# KiCad board KLST_CATERPILLAR.kicad_pcb
date: 2023-10-05
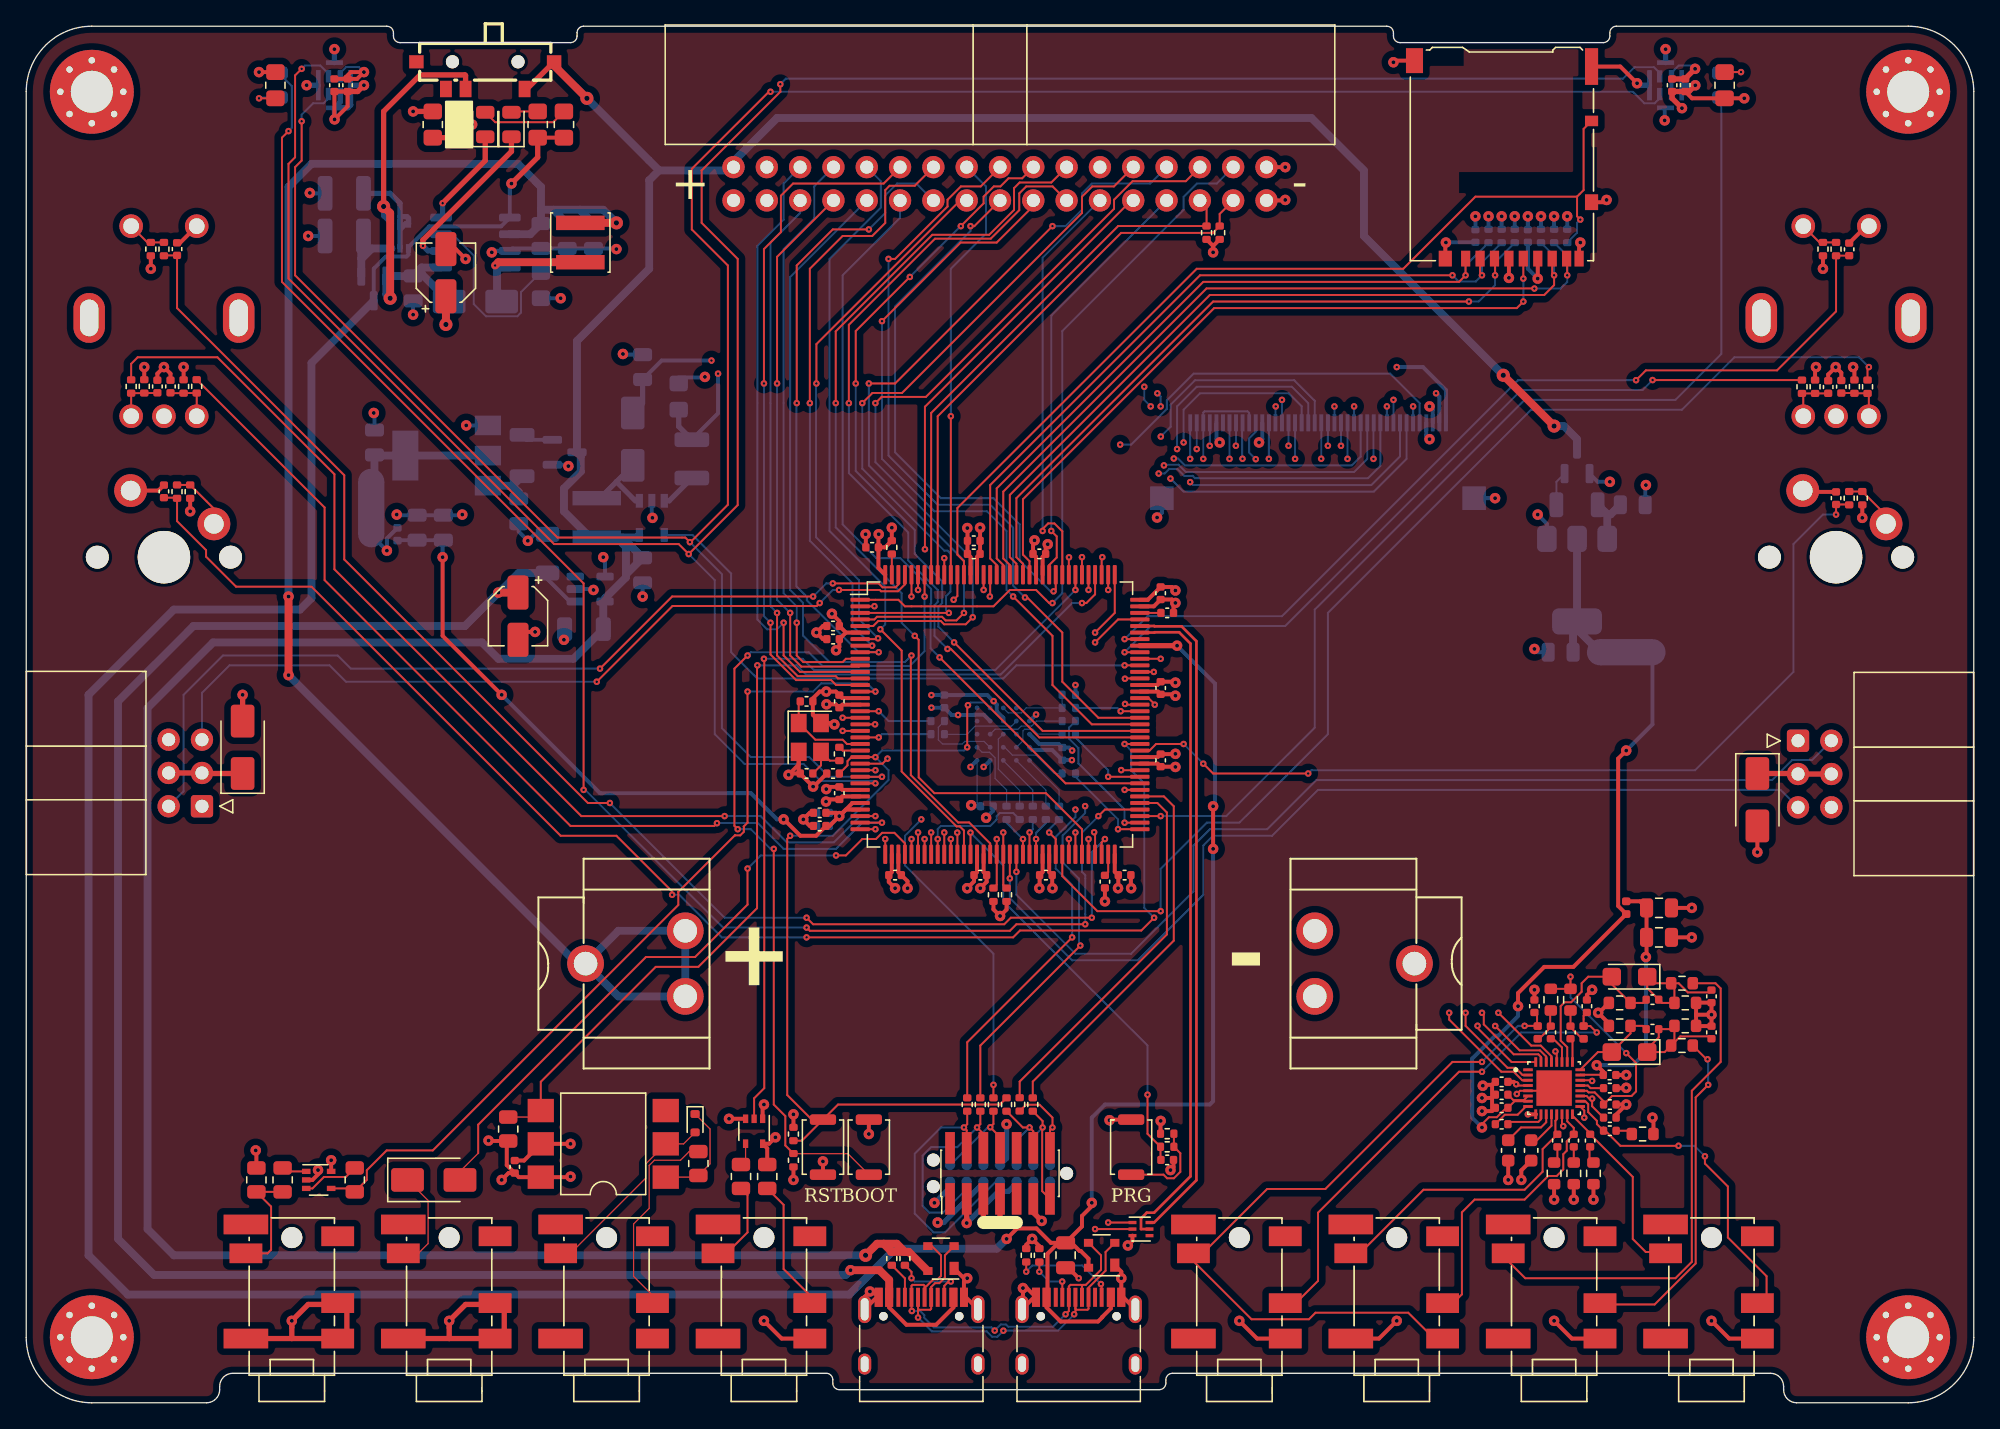
[diagram p0: board, top side]
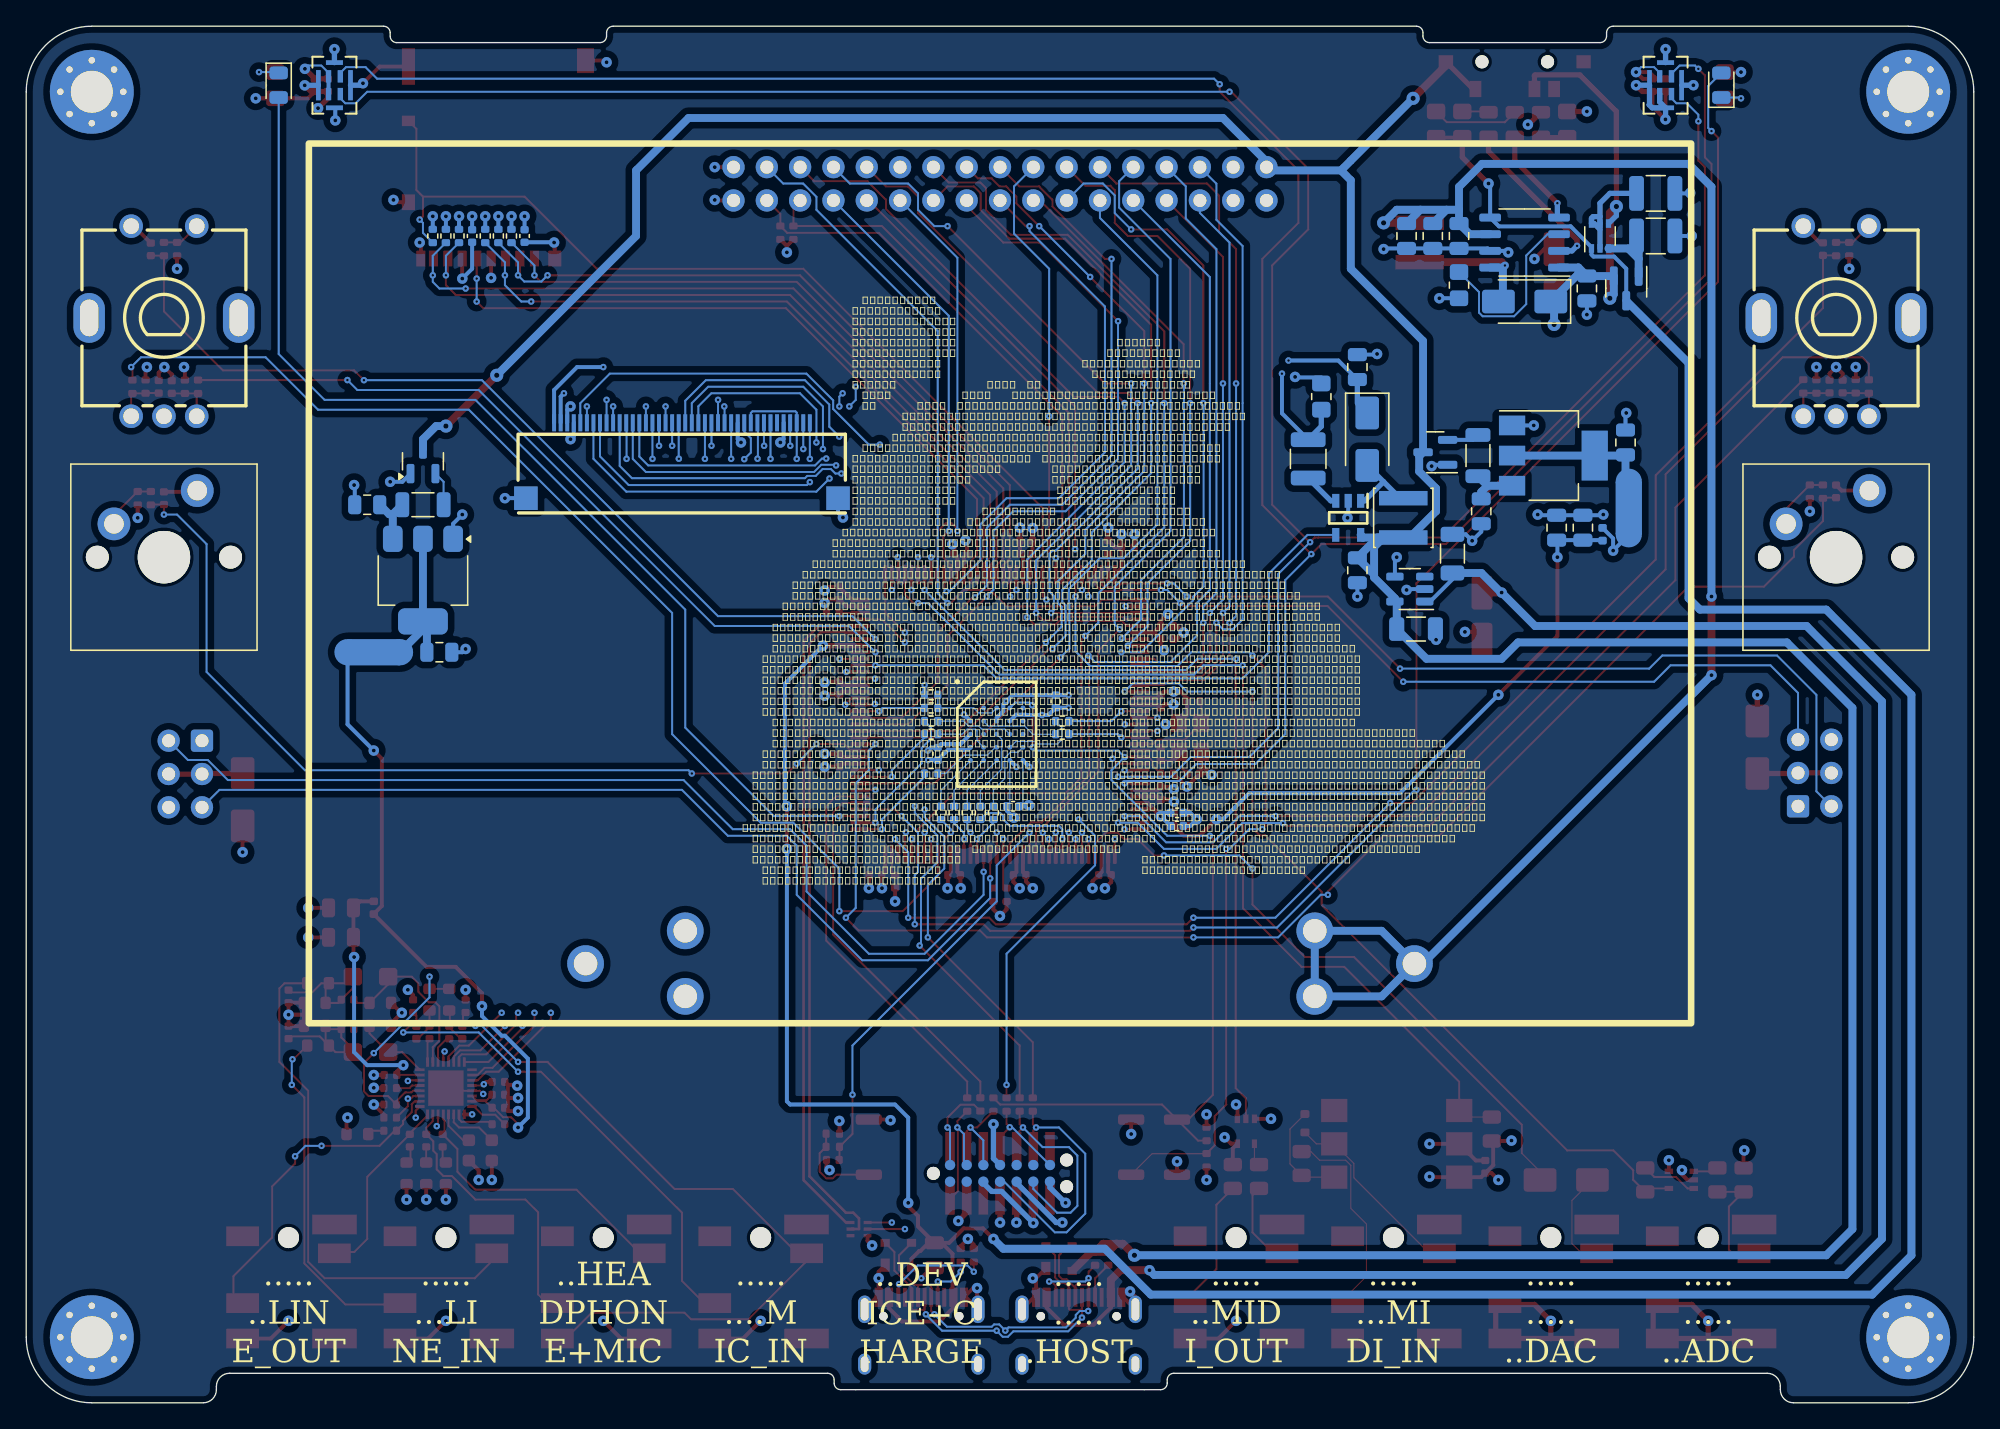
[diagram p1: board, bottom side, seen from below]

Outline 148.5 x 105 mm; copper layers: Top, In1.Cu (plane), In2.Cu, In3.Cu (plane), In4.Cu (plane), Bottom. Coordinates in mm from the lower left corner of the outline.
Outline path: 0,100 arc(1.46,103.54) 5,105 27.5,105 arc(27.85,104.85) 28,104.5 28,104.25 arc(28.15,103.9) 28.5,103.75 41.5,103.75 arc(41.85,103.9) 42,104.25 42,104.5 arc(42.15,104.85) 42.5,105 103.75,105 arc(104.1,104.85) 104.25,104.5 104.25,104.25 arc(104.4,103.9) 104.75,103.75 120.25,103.75 arc(120.6,103.9) 120.75,104.25 120.75,104.5 arc(120.9,104.85) 121.25,105 143.5,105 arc(147.04,103.54) 148.5,100 148.5,5 arc(147.04,1.46) 143.5,0 135,0 arc(134.29,0.29) 134,1 134,1.25 arc(133.71,1.96) 133,2.25 87.4,2.25 arc(87.04,2.1) 86.9,1.75 86.9,1.5 arc(86.75,1.15) 86.4,1 62,1 arc(61.65,1.15) 61.5,1.5 61.5,1.75 arc(61.35,2.1) 61,2.25 15.75,2.25 arc(15.04,1.96) 14.75,1.25 14.75,1 arc(14.46,0.29) 13.75,0 5,0 arc(1.46,1.46) 0,5 0,100
Stack: Top 0.035mm / dielectric 0.0994mm 3313 er 4.1 / In1.Cu 0.0152mm / dielectric 0.55mm FR4 er 4.6 / In2.Cu 0.0152mm / dielectric 0.1088mm 2116 er 4.16 / In3.Cu 0.0152mm / dielectric 0.55mm FR4 er 4.6 / In4.Cu 0.0152mm / dielectric 0.0994mm 3313 er 4.1 / Bottom 0.035mm

## Placement (name value [footprint] x y rotation side)
C1  10uF  [C_0805_2012Metric]  37.56 68 270 bottom
C2  10uF  [C_0805_2012Metric]  26.56 73.25 90 bottom
C3  1uF  [C_0805_2012Metric]  29.81 66.75 90 bottom
C4  10nF  [C_0805_2012Metric]  31.81 66.75 90 bottom
C5  1uF  [C_0402_1005Metric]  60.75 44 180 bottom
C6  100nF  [C_0402_1005Metric]  62 53.5 90 top
C7  100nF  [C_0402_1005Metric]  60.75 45 180 bottom
C8  100nF  [C_0402_1005Metric]  62 46.5 270 top
C9  12pF  [C_0402_1005Metric]  59.5 53.5 180 top
C10  1uF  [C_0402_1005Metric]  60.5 45 180 top
C11  100nF  [C_0402_1005Metric]  66.25 40.25 180 top
C12  100nF  [C_0402_1005Metric]  60.5 44 180 top
C13  12pF  [C_0402_1005Metric]  59.5 48 180 top
C14  100nF  [C_0402_1005Metric]  72.75 40.25 180 top
C15  100nF  [C_0402_1005Metric]  77.75 40.25 180 top
C16  1uF  [C_0402_1005Metric]  61.52 58.25 180 top
C17  100nF  [C_0402_1005Metric]  61.52 59.25 180 top
C18  100nF  [C_0402_1005Metric]  83.75 40.25 0 top
C19  100nF  [C_0402_1005Metric]  86.5 49 270 top
C20  100nF  [C_0402_1005Metric]  86.5 61.75 270 top
C21  100nF  [C_0402_1005Metric]  77.25 64.75 0 top
C22  100nF  [C_0402_1005Metric]  72.25 64.75 0 top
C23  100nF  [C_0402_1005Metric]  64.5 65.25 180 top
C24  2.2uF  [C_0402_1005Metric]  82.25 39.75 270 top
C25  100nF  [C_0402_1005Metric]  61.52 48 180 top
C26  4.7uF  [C_0402_1005Metric]  72.25 65.75 0 top
C27  2.2uF  [C_0402_1005Metric]  87 60.25 0 top
C28  1uF  [C_0402_1005Metric]  86.5 54.52 270 top
C29  4.7uF  [C_0402_1005Metric]  114.5 89 90 bottom
C30  100nF  [C_0402_1005Metric]  110.5 89 270 bottom
C31  1uF  [C_0805_2012Metric]  47 79 90 bottom
C32  4.7uF  [C_0805_2012Metric]  47 63.5 270 bottom
C33  100nF  [C_0805_2012Metric]  39.25 89 270 bottom
C34  22uF  [C_0805_2012Metric]  41.25 89 270 bottom
C35  100nF  [C_0805_2012Metric]  29.5 85 270 bottom
C36  22uF  [C_0805_2012Metric]  43.25 89 270 bottom
C37  47uF  [CP_Elec_4x5.4]  32 86.2 90 top
C38  100nF  [C_0402_1005Metric]  137.4 77.48 90 top
C39  100nF  [C_0402_1005Metric]  139 87.98 90 top
C40  100nF  [C_0402_1005Metric]  138.4 77.5 90 top
C41  100nF  [C_0402_1005Metric]  10 77.52 90 top
C42  100nF  [C_0402_1005Metric]  11.5 88 90 top
C43  100nF  [C_0402_1005Metric]  11 77.52 90 top
C44  100nF  [C_0402_1005Metric]  87 18.53 0 top
C45  100nF  [C_0402_1005Metric]  37.25 18 90 top
C46  1uF  [C_0805_2012Metric]  79.25 11.25 270 top
C47  100nF  [C_1206_3216Metric]  42.53 59.02 180 bottom
C48  100nF  [C_1206_3216Metric]  39.75 64.77 90 bottom
C49  47uF  [CP_Elec_4x5.4]  37.5 60 270 top
C50  100nF  [C_0402_1005Metric]  125.5 100.5 270 top
C51  1uF  [C_0402_1005Metric]  126.5 100.5 270 top
C52  100nF  [C_0402_1005Metric]  138 69 90 top
C53  100nF  [C_0402_1005Metric]  10.5 69.52 90 top
C54  100nF  [C_0402_1005Metric]  73.25 45.5 180 bottom
C55  100nF  [C_0402_1005Metric]  70 53.5 90 bottom
C56  100nF  [C_0402_1005Metric]  79 49.5 90 bottom
C57  220pF  [C_0402_1005Metric]  128.5 31 90 top
C58  470pF  [C_0402_1005Metric]  115 30.25 270 top
C59  470pF  [C_0402_1005Metric]  119 30.25 90 top
C60  220pF  [C_0402_1005Metric]  128.5 28.25 270 top
C61  1uF  [C_0402_1005Metric]  116.25 28.25 270 top
C62  1uF  [C_0402_1005Metric]  117.75 28.25 270 top
C63  10uF  [CP_EIA-3216-18_Kemet-A]  122.25 32.5 180 top
C64  1uF  [C_0402_1005Metric]  124 30.75 180 top
C65  1uF  [C_0402_1005Metric]  124 28.5 180 top
C66  10uF  [CP_EIA-3216-18_Kemet-A]  122.25 26.75 180 top
C67  2.2uF  [C_0603_1608Metric]  114.75 19.25 270 top
C68  2.2uF  [C_0603_1608Metric]  113 19.25 270 top
C69  1uF  [C_0805_2012Metric]  124.5 35.5 0 top
C70  2.2uF  [C_0402_1005Metric]  112.5 21.25 0 top
C71  10nF  [C_0805_2012Metric]  124.5 37.75 0 top
C72  4.7uF  [C_0402_1005Metric]  120.75 24 0 top
C74  4.7uF  [C_0402_1005Metric]  120.75 22.75 0 top
C77  100nF  [C_0402_1005Metric]  120.75 20.75 0 top
C78  100nF  [C_0402_1005Metric]  119.25 20 270 top
C79  100nF  [C_0402_1005Metric]  118 20 270 top
C80  100nF  [C_0402_1005Metric]  116.75 20 270 top
C81  100nF  [C_0402_1005Metric]  24.5 100.5 270 top
C82  1uF  [C_0402_1005Metric]  23.5 100.5 270 top
C83  100nF  [C_0402_1005Metric]  112.5 24.48 180 top
C84  100nF  [C_0402_1005Metric]  112.5 23.5 180 top
C85  4.7uF  [C_0402_1005Metric]  120.73 25 0 top
C86  4.7uF  [C_0402_1005Metric]  112.5 22.5 180 top
C87  100nF  [C_0402_1005Metric]  120.75 21.75 0 top
C88  10uF  [C_0805_2012Metric]  122.5 68.5 0 bottom
C89  10uF  [C_0805_2012Metric]  117 57.25 180 bottom
D1  LED  [LED_0805_2012Metric]  129.25 100.5 270 bottom
D2  LED  [LED_0805_2012Metric]  19.25 100.5 90 bottom
D3  PWR_LED  [LED_0805_2012Metric]  33 97.5 90 top
D4  SS14  [D_SMA]  46.25 73.5 270 bottom
D5  LED_STDBY  [LED_0805_2012Metric]  35 97.5 90 top
D6  LED_CHRG  [LED_0805_2012Metric]  37 97.5 90 top
D7  SS32  [D_SMA]  34.25 84 0 bottom
D9  SS14  [D_SMA]  132 46 270 top
D10  SS14  [D_SMA]  16.5 50 90 top
D11  1N914WT  [D_SOD-523]  51 21.32 270 top
D12  SP0503BAHT  [SOT-143]  82 11.25 180 top
D13  SP0503BAHT  [SOT-143]  69.75 11 180 top
D14  SS14  [D_SMA]  31.07 17 0 top
FB1  600Ω@100MHz  [L_1206_3216Metric]  37.81 72.25 90 bottom
FB2  5Ω@100MHz  [L_0402_1005Metric]  115.25 28.25 270 top
FB3  5Ω@100MHz  [L_0402_1005Metric]  118.75 28.25 270 top
FB4  600Ω@100MHz  [L_1206_3216Metric]  118.25 68.5 180 bottom
H1  M3 Mounting Hole  [MountingHole_3.2mm_M3_Pad_Via]  5 100 0 top
H2  M3 Mounting Hole  [MountingHole_3.2mm_M3_Pad_Via]  143.5 100 0 top
H3  M3 Mounting Hole  [MountingHole_3.2mm_M3_Pad_Via]  5 5 0 top
H4  M3 Mounting Hole  [MountingHole_3.2mm_M3_Pad_Via]  143.5 5 0 top
J1  Micro_SD_Card_Det_Hirose_DM3AT  [microSD_HC_Hirose_DM3AT-SF-PEJM5]  112.53 95 180 top
J2  FPC-40  [CONN-SMD_40P-P0.50-H_THD0525-40CL-GF]  98.5 71.88 180 bottom
J3  Battery_18650_Plus  [MY-18650-01]  46.45 33.5 0 top
J4  Battery_18650_Minus  [MY-18650-01]  102.05 33.5 180 top
J5  UART  [IDC-Header_2x03_P2.54mm_Horizontal]  135.1 50.5 0 top
J6  UART  [IDC-Header_2x03_P2.54mm_Horizontal]  13.4 45.5 180 top
J7  MIDI_IN  [PJ-316A-6A]  44.25 9.25 180 top
J8  MIDI_OUT  [PJ-316A-6A]  56.25 9.25 180 top
J9  DEVICE+CHARGE(UFP)  [USB_C_Receptacle_HRO_TYPE-C-31-M-12]  80.25 4 0 top
J10  HOST(DFP)  [USB_C_Receptacle_HRO_TYPE-C-31-M-12]  68.25 4 0 top
J11  DAC  [PJ-316A-6A]  32.25 9.25 180 top
J12  ADC  [PJ-316A-6A]  20.25 9.25 180 top
J13  GPIO  [IDC-Header_2x17_P2.54mm_Horizontal]  53.93 91.71 90 top
J14  ARM_JTAG_SWD(STDC14)  [PinHeader_2x07_P1.27mm_Vertical_SMD]  74.25 17.5 90 top
J15  -  [TC2070-IDC-NL]  74.25 17.5 180 bottom
J16  MIC_IN  [PJ-316A-6A]  92.5 9.25 180 top
J17  LINE_IN  [PJ-316A-6A]  116.5 9.25 180 top
J18  HEADPHONE_OUT+MIC  [PJ-316A-6A]  104.5 9.25 180 top
J19  LINE_OUT  [PJ-316A-6A]  128.5 9.25 180 top
L1  39nH  [L_0402_1005Metric]  28.31 66.25 270 bottom
L2  22uH  [L_Changjiang_FNR4030S]  43.5 67.5 270 bottom
L3  10uH  [L_Changjiang_FNR4030S]  42.25 88.5 270 top
L4  39nH  [L_0402_1005Metric]  122 37.77 90 top
NT1  NetTie_2  [NetTie-2_SMD_Pad2.0mm]  26.31 68.25 90 bottom
NT2  NetTie_2  [NetTie-2_SMD_Pad2.0mm]  122 57.25 180 bottom
Q1  AO3401A  [SOT-23]  41.06 72.5 0 bottom
Q2  BCM857BS  [SOT-363_SC-70-6]  28.5 89 90 bottom
Q3  AO3401A  [SOT-23]  26.5 85 270 bottom
Q4  AO3401A  [SOT-23]  118.25 71.81 90 bottom
R1  1K  [R_0805_2012Metric_Pad1.20x1.40mm_HandSolder]  129.5 100.5 90 top
R2  1K  [R_0805_2012Metric_Pad1.20x1.40mm_HandSolder]  19 100.5 270 top
R3  2.2K  [R_0402_1005Metric]  73.75 38.75 90 top
R4  2.2K  [R_0402_1005Metric]  74.75 38.75 90 top
R5  2.2K  [R_0402_1005Metric]  91 89.25 90 top
R6  2.2K  [R_0402_1005Metric]  90 89.25 90 top
R7  10R  [R_0402_1005Metric]  62 49.49 270 top
R8  1K  [R_0805_2012Metric_Pad1.20x1.40mm_HandSolder]  31 97.5 270 top
R9  10K  [R_0402_1005Metric]  58.5 20.5 90 top
R10  10K  [R_0402_1005Metric]  66 65.25 270 top
R11  10K  [R_0402_1005Metric]  58.5 18.5 90 top
R12  10K  [R_0402_1005Metric]  117.5 89 90 bottom
R13  10K  [R_0402_1005Metric]  116.5 89 270 bottom
R14  10K  [R_0402_1005Metric]  115.5 89 270 bottom
R15  10K  [R_0402_1005Metric]  113.5 89 270 bottom
R16  10K  [R_0402_1005Metric]  112.5 89 270 bottom
R17  10K  [R_0402_1005Metric]  111.5 89 270 bottom
R18  20R  [R_0805_2012Metric_Pad1.20x1.40mm_HandSolder]  49.75 76.75 90 bottom
R19  1K  [R_1210_3225Metric]  50.75 72 270 bottom
R20  2K  [R_0805_2012Metric_Pad1.20x1.40mm_HandSolder]  41 97.5 270 top
R21  2K  [R_0805_2012Metric_Pad1.20x1.40mm_HandSolder]  39 97.5 270 top
R22  1.2K  [R_0805_2012Metric_Pad1.20x1.40mm_HandSolder]  39.25 85.25 90 bottom
R23  10K  [R_1210_3225Metric]  24.25 92.25 0 bottom
R24  47K  [R_1210_3225Metric]  24.25 89 0 bottom
R25  10K  [R_0402_1005Metric]  135.4 77.5 90 top
R26  10K  [R_0402_1005Metric]  136.4 77.5 270 top
R27  10K  [R_0402_1005Metric]  137 88 270 top
R28  1K  [R_0402_1005Metric]  138 88 90 top
R29  10K  [R_0402_1005Metric]  139.4 77.51 270 top
R30  10K  [R_0402_1005Metric]  140.4 77.5 270 top
R31  10K  [R_0402_1005Metric]  8 77.52 90 top
R32  10K  [R_0402_1005Metric]  9 77.53 270 top
R33  10K  [R_0402_1005Metric]  9.5 88 270 top
R34  1K  [R_0402_1005Metric]  10.5 88 90 top
R35  10K  [R_0402_1005Metric]  12 77.52 270 top
R36  10K  [R_0402_1005Metric]  13 77.53 270 top
R37  10K  [R_0402_1005Metric]  87 20.53 180 top
R38  1K  [R_0402_1005Metric]  87 19.53 0 top
R39  220R  [R_0805_2012Metric]  51.25 18.25 270 top
R40  47R  [R_0805_2012Metric]  56.5 17.26 270 top
R41  47R  [R_0805_2012Metric]  54.5 17.26 90 top
R42  470R  [R_0805_2012Metric]  36.75 20.88 90 top
R43  5.1K  [R_0402_1005Metric]  77.25 11.25 270 top
R44  5.1K  [R_0402_1005Metric]  76.25 11.25 270 top
R45  56K  [R_0402_1005Metric]  66 11 90 top
R46  56K  [R_0402_1005Metric]  67 11 90 top
R47  100K  [R_0805_2012Metric]  17.55 17 90 top
R48  20K  [R_0805_2012Metric]  19.55 17 90 top
R49  20K  [R_0805_2012Metric]  25.05 17 270 top
R50  10K  [R_0402_1005Metric]  140 69 270 top
R51  1K  [R_0402_1005Metric]  139 69 90 top
R52  10K  [R_0402_1005Metric]  12.5 69.5 270 top
R53  1K  [R_0402_1005Metric]  11.5 69.5 90 top
R54  22R  [R_0402_1005Metric]  74.75 22.75 90 top
R55  22R  [R_0402_1005Metric]  72.75 22.75 90 top
R56  22R  [R_0402_1005Metric]  71.75 22.75 90 top
R57  22R  [R_0402_1005Metric]  73.75 22.75 90 top
R58  22R  [R_0402_1005Metric]  76.75 22.75 90 top
R59  22R  [R_0402_1005Metric]  75.75 22.76 90 top
R60  33R  [R_0402_1005Metric]  79.5 53 180 bottom
R61  33R  [R_0402_1005Metric]  69.5 51 0 bottom
R62  33R  [R_0402_1005Metric]  75.75 45 90 bottom
R63  10K  [R_0402_1005Metric]  79.5 54 0 bottom
R64  33R  [R_0402_1005Metric]  79.5 52 0 bottom
R65  33R  [R_0402_1005Metric]  79.5 51 0 bottom
R66  33R  [R_0402_1005Metric]  79.5 48 0 bottom
R67  33R  [R_0402_1005Metric]  69.5 52 180 bottom
R68  33R  [R_0402_1005Metric]  74.75 45 270 bottom
R69  33R  [R_0402_1005Metric]  78.75 45 270 bottom
R70  33R  [R_0402_1005Metric]  77.75 45 270 bottom
R71  33R  [R_0402_1005Metric]  76.75 45 270 bottom
R72  5.6K  [R_0603_1608Metric]  126.25 32 180 top
R73  5.6K  [R_0603_1608Metric]  126.25 27.25 180 top
R74  5.6K  [R_0603_1608Metric]  126.5 30.5 0 top
R75  2.2K  [R_0603_1608Metric]  116.25 30.75 270 top
R76  2.2K  [R_0603_1608Metric]  117.75 30.75 270 top
R77  5.6K  [R_0603_1608Metric]  126.5 28.75 0 top
R78  10K  [R_0603_1608Metric]  121.5 30.5 180 top
R79  10K  [R_0603_1608Metric]  121.5 28.75 180 top
R80  20R  [R_0603_1608Metric]  123.25 20.5 0 top
R81  20R  [R_0603_1608Metric]  119.5 17.5 270 top
R82  20R  [R_0603_1608Metric]  118 17.5 270 top
R83  20R  [R_0603_1608Metric]  116.5 17.5 270 top
SW1  BUTTON_RESET  [SW_Push_SPST_NO_Alps_SKRK]  60.75 19.5 90 top
SW2  BUTTON_BOOT_FLASH  [SW_Push_SPST_NO_Alps_SKRK]  64.25 19.5 90 top
SW3  SW_SPDT  [MK-12F03-G015]  35 101.25 180 top
SW4  ENCODER  [PEC11R-4015F-S0024]  138 82.5 180 bottom
SW5  ENCODER  [PEC11R-4015F-S0024]  10.5 82.5 180 bottom
SW6  BUTTON  [SW_Push_SPST_NO_Alps_SKRK]  84.25 19.5 90 top
SW7  BUTTON  [SW_Cherry_MX_PCB]  138 64.5 180 bottom
SW8  BUTTON  [SW_Cherry_MX_PCB]  10.5 64.5 180 bottom
U1  AMS1117-3.3  [SOT-223-3_TabPin2]  32.06 72.25 180 bottom
U2  STM32H723ZGTx  [LQFP-144_20x20mm_P0.5mm]  74.25 52.5 0 top
U3  CAT4139TD-GT3  [SOT95P280X100-5N]  47.7 67.5 270 bottom
U4  TP5400  [SOP-8_3.9x4.9mm_P1.27mm]  34.25 88.5 0 bottom
U5  H11L1SR2M  [SMDIP-6_W9.53mm]  44 19.75 180 top
U6  74AHC1G125  [SOT-353_SC-70-5]  55.5 20.71 270 top
U7  ECMF02-2AMX6  [ST_UQFN-6L_1.5x1.7mm_P0.5mm]  85 13.25 0 top
U8  TPS2041B  [SOT-23-5]  43 62.07 0 bottom
U9  TLV9001IDCK  [SOT-353_SC-70-5]  22.3 17 0 top
U10  MP34DT05TR-A  [MP34DT05TR-A_STM]  125 100.5 180 bottom
U11  MP34DT05TR-A  [MP34DT05TR-A_STM]  23.5 100.5 180 bottom
U12  S70KL1282  [BGA24C100P5X5_600X800X100]  74.5 51 180 bottom
U13  WM8904CGEFL/V  [QFN40P400X400X80-33N]  116.5 24 0 top
U14  AMS1117-1.8  [SOT-223-3_TabPin2#2]  118.25 62.75 270 bottom
Y1  16MHz  [Crystal_SMD_3225-4Pin_3.2x2.5mm]  59.75 50.75 270 top

## Library data of the parts
C1 C2 C88 C89 = -: Description: 25V; JLCPCB: C15850; ki_fp_filters: C_*
C3 C69 = -: Description: 50V; JLCPCB: C28323; ki_fp_filters: C_*
C4 C71 = -: Description: 50V; JLCPCB: C1710; ki_fp_filters: C_*
C5 C10 C16 C28 C61 C62 C64 C65 = -: Description: 25V; JLCPCB: C52923; ki_fp_filters: C_*
C6-C8 C11 C12 C14 C15 C17-C23 C25 C30 C38-C45 C50 C52-C56 C77-C81 C83 C84 C87 = -: Description: 16V; JLCPCB: C1525; ki_fp_filters: C_*
C9 C13 = -: Description: 50V; JLCPCB: C1547; ki_fp_filters: C_*
C24 C27 = -: Description: 10V; JLCPCB: C107370; ki_fp_filters: C_*
C26 C29 C72 C74 C85 C86 = -: Description: 10V; JLCPCB: C23733; ki_fp_filters: C_*
C31 = -: Description: 50V; JLCPCB: C386107; ki_fp_filters: C_*
C32 = -: Description: 16V; JLCPCB: C90791; ki_fp_filters: C_*
C33 C35 = -: Description: 16V; JLCPCB: C28233; ki_fp_filters: C_*
C34 C36 = -: Description: 25V; JLCPCB: C45783; ki_fp_filters: C_*
C37 C49 = -: Description: 10V; JLCPCB: C114447; ki_fp_filters: CP_*
C46 = -: Description: 50V; JLCPCB: C307362; ki_fp_filters: C_*
C47 C48 = -: Description: 50V; JLCPCB: C3015151; ki_fp_filters: C_*
C51 C82 = -: Description: 25V; JLCPCB: C52923; ki_fp_filters: CP_*
C57 C60 = -: Description: 50V; JLCPCB: C1530; ki_fp_filters: C_*
C58 C59 = -: Description: 50V; JLCPCB: C1537; ki_fp_filters: C_*
C63 C66 = -: Description: 16V; JLCPCB: C7171; ki_fp_filters: CP_*
C67 C68 = -: Description: 10V; JLCPCB: C86013; ki_fp_filters: C_*
C70 = -: Description: 6.3V; JLCPCB: C452745; ki_fp_filters: C_*
D1-D3 D5 = -: Description: WHITE; JLCPCB: C34499; ki_fp_filters: LED* LED_SMD:* LED_THT:*
D4 = -: JLCPCB: C2480; ki_fp_filters: TO-???* *_Diode_* *SingleDiode* D_*
D6 = -: Description: YELLOW; JLCPCB: C2296; ki_fp_filters: LED* LED_SMD:* LED_THT:*
D7 = -: JLCPCB: C34897; ki_fp_filters: TO-???* *_Diode_* *SingleDiode* D_*
D9 D10 D14 = -: Datasheet: https://datasheet.lcsc.com/szlcsc/Changjiang-Electronics-Tech-CJ-B5819W_C8598.pdf; JLCPCB: C2480; ki_fp_filters: TO-???* *_Diode_* *SingleDiode* D_*
D11 = -: JLCPCB: C896167; ki_fp_filters: TO-???* *_Diode_* *SingleDiode* D_*
D12 D13 = -: Datasheet: http://www.littelfuse.com/~/media/files/littelfuse/technical%20resources/documents/data%20sheets/sp05xxba.pdf; JLCPCB: C3040626; ki_fp_filters: SOT?143*
FB1 FB4 = -: JLCPCB: C73732; ki_fp_filters: Inductor_* L_* *Ferrite*
FB2 FB3 = -: JLCPCB: C160969; ki_fp_filters: Inductor_* L_* *Ferrite*
H1-H4 = -: ki_fp_filters: MountingHole*Pad*
J1 = -: Datasheet: https://www.hirose.com/product/en/download_file/key_name/DM3/category/Catalog/doc_file_id/49662/?file_category_id=4&item_id=195&is_series=1; JLCPCB: C114218; ki_fp_filters: microSD*
J2 = -: JLCPCB: C283185; ki_fp_filters: Connector*:*_1x??-1SH*
J3 J4 = -: JLCPCB: C2979183; ki_fp_filters: Connector*:*_1x??_*
J5 J6 = -: JLCPCB: C146629; ki_fp_filters: Connector*:*_2x??_*
J7 J8 J11 J12 J16-J19 = -: Datasheet: https://datasheet.lcsc.com/szlcsc/1810121710_Korean-Hroparts-Elec-PJ-316A-6A_C128987.pdf; JLCPCB: C128987; ki_fp_filters: Jack*
J9 J10 = -: Datasheet: https://www.usb.org/sites/default/files/documents/usb_type-c.zip; JLCPCB: C165948; ki_fp_filters: USB*C*Receptacle*
J13 = -: JLCPCB: C79866; ki_fp_filters: Connector*:*_2x??_*
J14 = -: Datasheet: https://www.st.com/content/ccc/resource/technical/document/user_manual/group1/99/49/91/b6/b2/3a/46/e5/DM00526767/files/DM00526767.pdf/jcr:content/translations/en.DM00526767.pdf; JLCPCB: C2881912; ki_fp_filters: PinHeader?2x07?P1.27mm*
J15 = -: Datasheet: https://www.st.com/content/ccc/resource/technical/document/user_manual/group1/99/49/91/b6/b2/3a/46/e5/DM00526767/files/DM00526767.pdf/jcr:content/translations/en.DM00526767.pdf; JLCPCB: DNF; ki_fp_filters: PinHeader?2x07?P1.27mm*
L1 L4 = -: Description: 200mA; JLCPCB: C26443; ki_fp_filters: Choke_* *Coil* Inductor_* L_*
L2 = -: Description: 1A; JLCPCB: C167883; ki_fp_filters: Choke_* *Coil* Inductor_* L_*
L3 = -: Description: 1.5A; JLCPCB: C167879; ki_fp_filters: Choke_* *Coil* Inductor_* L_*
NT1 NT2 = -: JLCPCB: DNF; ki_fp_filters: Net*Tie*
Q1 Q3 Q4 = -: Datasheet: http://www.aosmd.com/pdfs/datasheet/AO3401A.pdf; JLCPCB: C15127; ki_fp_filters: SOT?23*
Q2 = -: Description: PNP; JLCPCB: C105896; ki_fp_filters: SC?70* SC?88* SOT?363*
R1 R2 R8 = -: Description: 125mW; JLCPCB: C17513; ki_fp_filters: R_*
R3-R6 = -: Description: 62.5mW; JLCPCB: C966835; ki_fp_filters: R_*
R7 = -: Description: 62.5mW; JLCPCB: C25077; ki_fp_filters: R_*
R9-R17 R25-R27 R29-R33 R35-R37 R50 R52 R63 = -: Description: 62.5mW; JLCPCB: C25744; ki_fp_filters: R_*
R18 = -: Description: 125mW; JLCPCB: C17544; ki_fp_filters: R_*
R19 = -: Description: 125mW; JLCPCB: C270888; ki_fp_filters: R_*
R20 R21 = -: Description: 125mW; JLCPCB: C17604; ki_fp_filters: R_*
R22 = -: Description: 125mW; JLCPCB: C17379; ki_fp_filters: R_*
R23 = -: Description: 500mW; JLCPCB: C474295; ki_fp_filters: R_*
R24 = -: Description: 500mW; JLCPCB: C105023; ki_fp_filters: R_*
R28 R34 R38 R51 R53 = -: JLCPCB: C11702; ki_fp_filters: R_*
R39 = -: Description: 130mW; JLCPCB: C479094; ki_fp_filters: R_*
R40 R41 = -: Description: 125mW; JLCPCB: C328398; ki_fp_filters: R_*
R42 = -: Description: 125mW; JLCPCB: C17710; ki_fp_filters: R_*
R43 R44 = -: Description: 62.5mW; JLCPCB: C409730; ki_fp_filters: R_*
R45 R46 = -: Description: 63mW; JLCPCB: C352409; ki_fp_filters: R_*
R47 = -: Description: 125mW; JLCPCB: C25611; ki_fp_filters: R_*
R48 R49 = -: Description: 125mW; JLCPCB: C4328; ki_fp_filters: R_*
R54-R59 = -: Description: 62.5mW; JLCPCB: C114765; ki_fp_filters: R_*
R60-R62 R64-R71 = -: Description: 62.5mW; JLCPCB: C138002; ki_fp_filters: R_*
R72-R74 R77 = -: Description: 100mW; JLCPCB: C417107; ki_fp_filters: R_*
R75 R76 = -: Description: 100mW; JLCPCB: C101304; ki_fp_filters: R_*
R78 R79 = -: Description: 100mW; JLCPCB: C2924143; ki_fp_filters: R_*
R80-R83 = -: Description: 250mW; JLCPCB: C544033; ki_fp_filters: R_*
SW1 SW2 SW6 = -: JLCPCB: C115357
SW3 = -: JLCPCB: C963208
SW4 SW5 = -: Description: PEC11R-4015F-S0024; JLCPCB: C143789; ki_fp_filters: RotaryEncoder*Switch*
SW7 SW8 = -: JLCPCB: DNF
U1 = -: Datasheet: http://www.advanced-monolithic.com/pdf/ds1117.pdf; JLCPCB: C6186; ki_fp_filters: SOT?223*TabPin2*
U2 = -: Datasheet: https://www.st.com/resource/en/datasheet/stm32h723zg.pdf; JLCPCB: C730146; ki_fp_filters: LQFP*20x20mm*P0.5mm*
U3 = -: Datasheet: http://www.onsemi.com/pub/Collateral/CAT4139-D.PDF; JLCPCB: C72110
U4 = -: JLCPCB: C2891434
U5 = -: Datasheet: https://www.onsemi.com/pub/Collateral/H11L3M-D.PDF; JLCPCB: C20082; ki_fp_filters: DIP*W7.62mm* DIP*W10.16mm* SMDIP*W9.53mm*
U6 = -: Datasheet: http://www.ti.com/lit/sg/scyt129e/scyt129e.pdf; JLCPCB: C151890; ki_fp_filters: SOT* SG-*
U7 = -: Datasheet: https://www.st.com/resource/en/datasheet/ecmf02-2amx6.pdf; JLCPCB: C2651144; ki_fp_filters: ST?UQFN*L?1.5x1.7mm*P0.5mm*